# Altium PCB MB1019.PcbDoc (part 2 of 4) (continued)
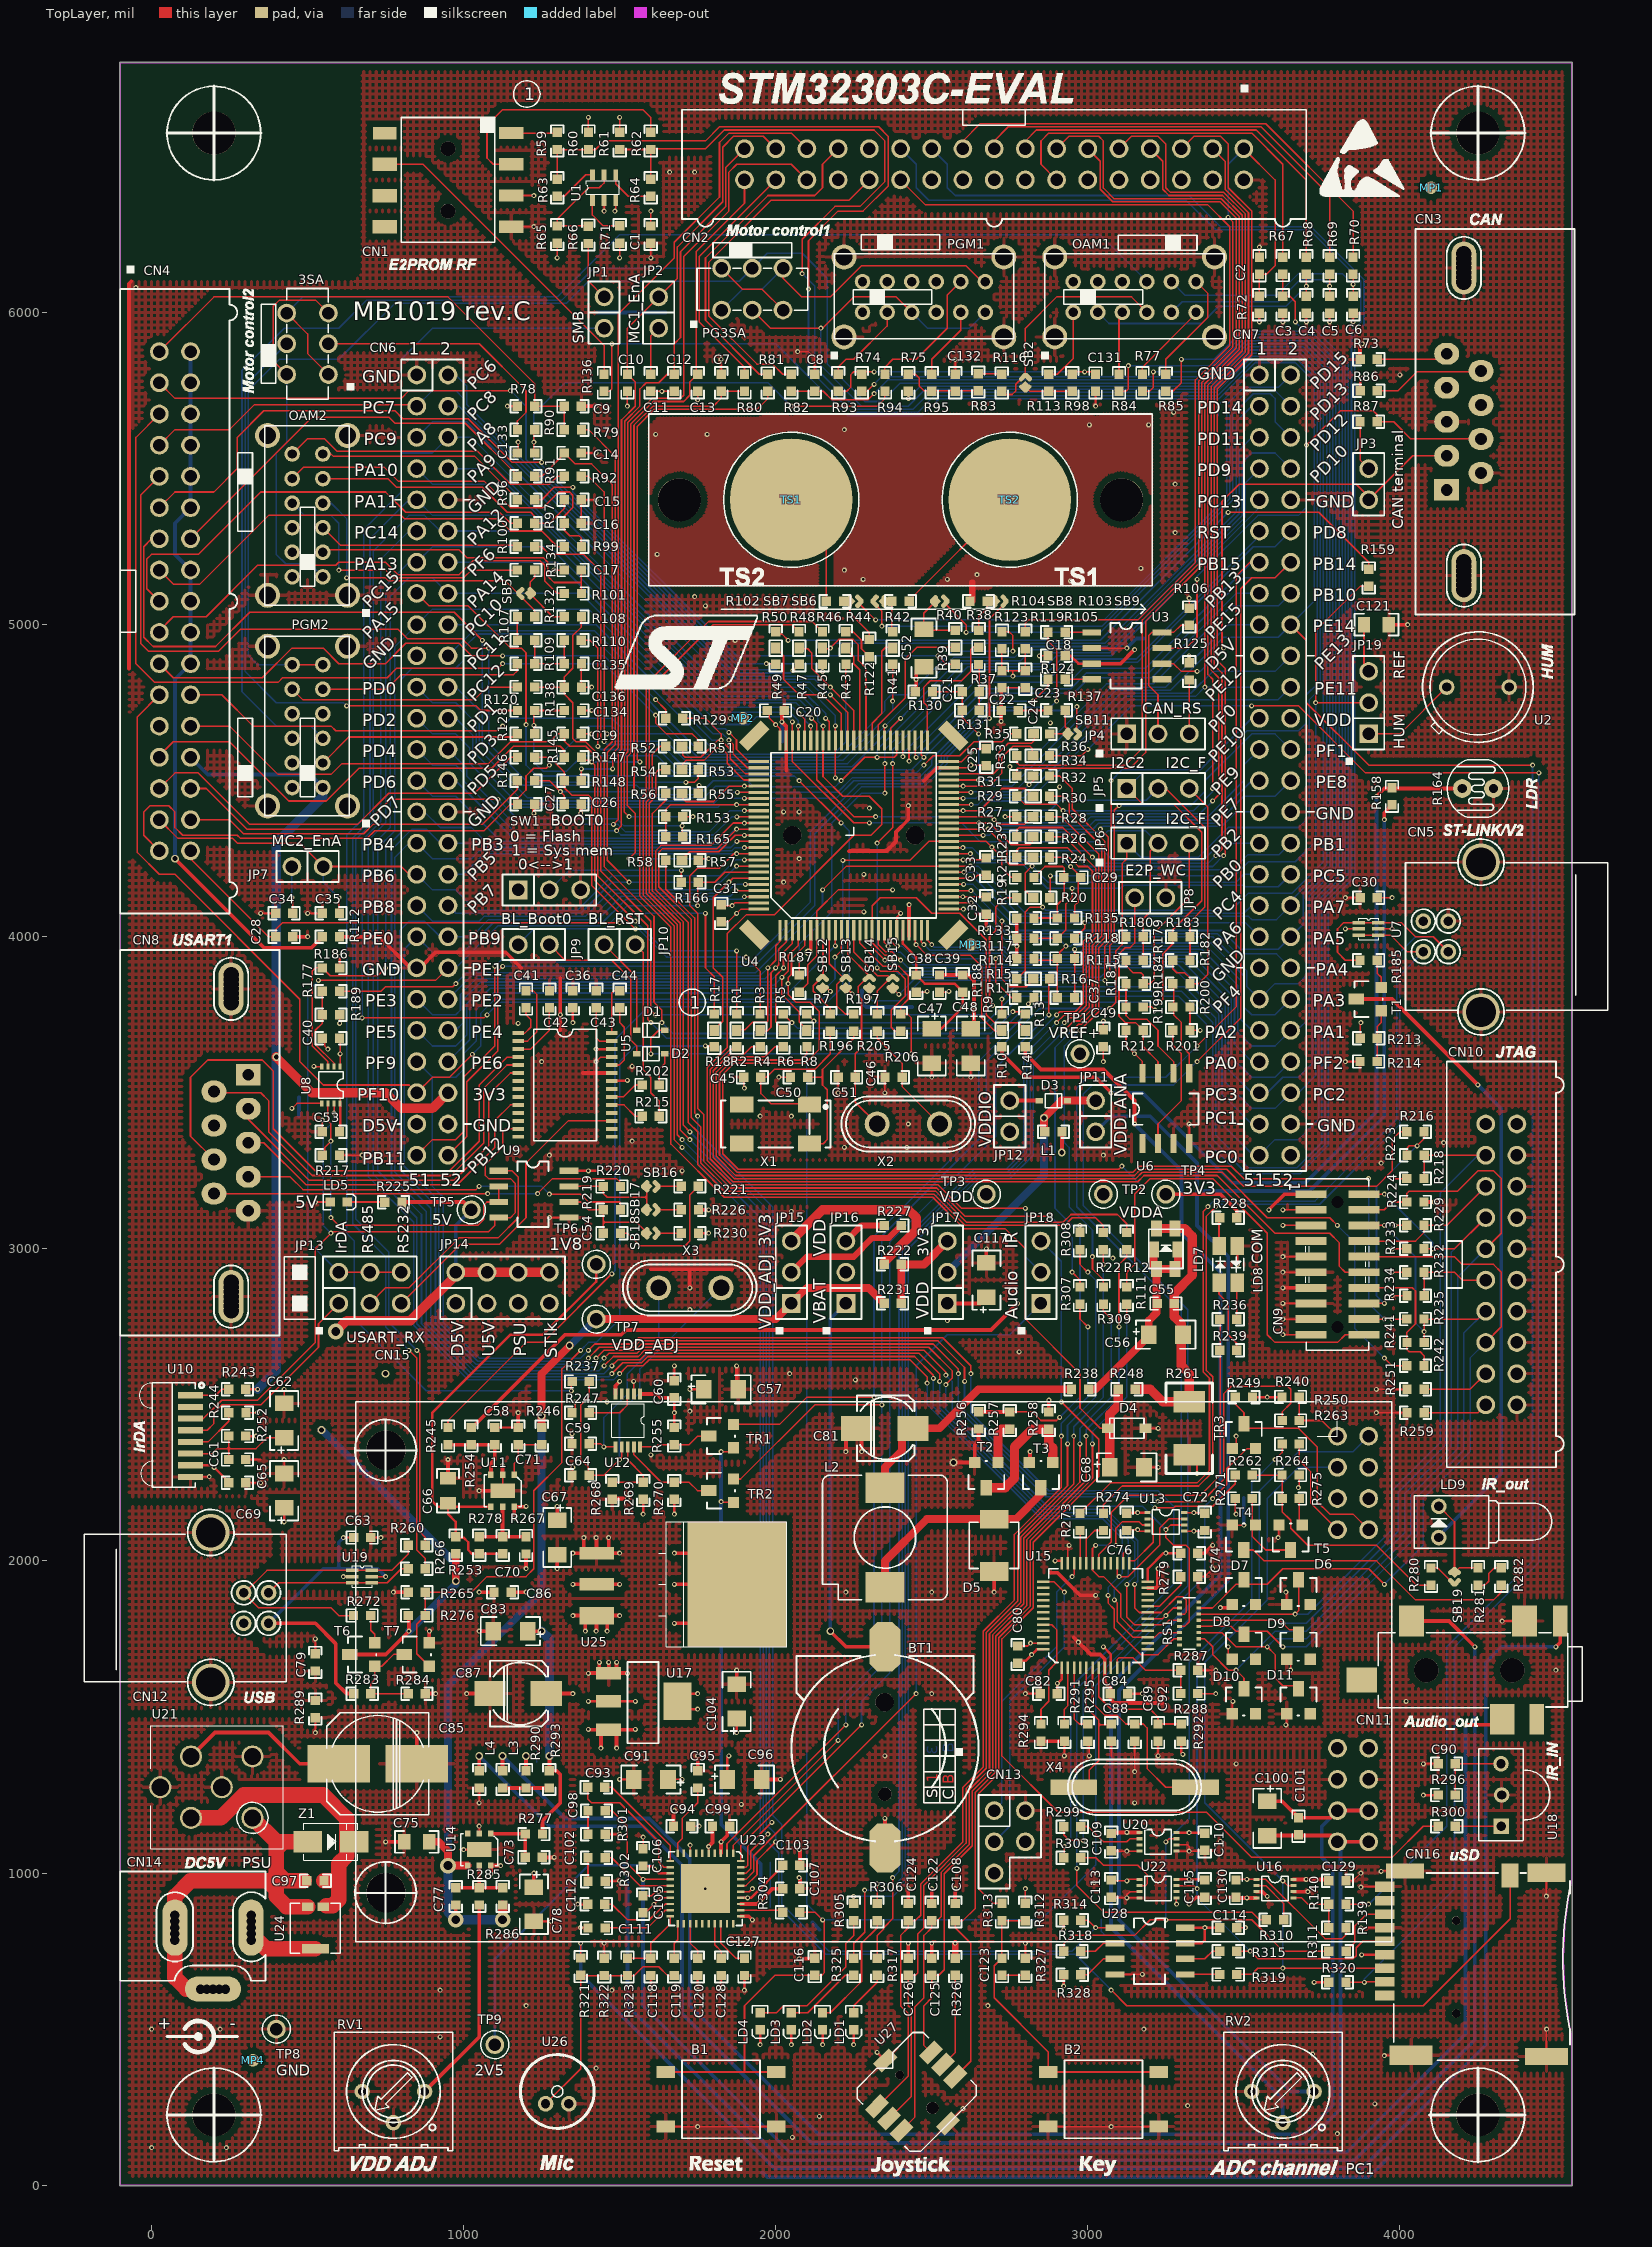
[diagram p0: TopLayer view]
## Nets (pads, with @x,y where several pads share a name; then routed paths per layer and width w, separated by ;. In a path a pad name is that pad's centre, name@x,y a point inside that pad or via, vN(x,y) a via of type N, cw(c..) or ccw(c..) an arc to the next point about the centre after c; other vN are vias at no path point) (continued)
  TopLayer w5: C4.2@3700,6052.5 R68.2@3700,6122.5
  BottomLayer w5: OAM1.2@3031.89,6000.79 3067.68,5965 3365,5965 3420,6020 3635,6020 v1(3700,6085)
MC1_CURRENTB+: C5.2 OAM1.5 R69.2 | length 628.3
  TopLayer w5: C5.2@3775,6052.5 R69.2@3775,6122.5
  BottomLayer w5: OAM1.5@3268.11,6000.79 3302.32,6035 3610,6035 3680,6105 3755,6105 v1(3775,6085)
MC1_CURRENTC+: C6.2 OAM1.8 R70.2 | length 713.7
  TopLayer w5: C6.2@3850,6052.5 R70.2@3850,6122.5
  BottomLayer w5: OAM1.8@3268.11,6099.21 3312.32,6055 3605,6055 3675,6125 3815,6125 v1(3850,6090)
MC1_MC2_PFCPWM: R3.1 R145.2 R148.2 | length 1336.4
  TopLayer w5: R145.2@1227.5,4575 1275,4575 1322.5,4527.5 1322.5,4477.5 1346.15,4453.85 1400,4453.85 1410,4443.85 1410,4165 v1(1550,4025) ; v1(1905,3935) 1950,3890 R3.1@1950,3752.5
  BottomLayer w5: v1(1550,4025) 1560,4025 1650,3935 v1(1905,3935)
MC1_MC2_PFCSYNC: R1.1 R81.2 R147.2 | length 2884.6
  TopLayer w5: R147.2@1375,4565 1405,4565 1420,4550 1420,4180 v1(1550,4050) ; v1(1565,4560) 1556,4569 1556,5635.29 1610.71,5690 1940,5690 1975,5725 R81.2@1975,5747.5 ; R1.1@1875,3752.5 v1(1875,3955)
  BottomLayer w5: v1(1410,4560) v1(1565,4560) ; v1(1550,4050) 1645,3955 v1(1875,3955)
MC2_CURRENTA+: C16.2 OAM2.8 R99.2 | length 1209.9
  TopLayer w5: OAM2.8@450.79,5468.11 487.68,5505 745,5505 790,5460 1065,5460 1150,5375 1255,5375 1305,5425 1340,5425 1350,5415 1350,5375 1322.5,5347.5 1322.5,5302.5 1340,5285 1370,5285 1377.5,5277.5 R99.2@1377.5,5250
MC2_CURRENTB+: C15.2 OAM2.5 R97.2 | length 892.9
  TopLayer w5: OAM2.5@549.21,5468.11 756.89,5468.11 785,5440 1060,5440 1140,5360 1215,5360 1227.5,5347.5 1227.5,5325 1275,5325 1322.5,5372.5 C15.2@1322.5,5400
MC2_CURRENTC+: C17.2 OAM2.2 R101.2 | length 979.2
  TopLayer w5: OAM2.2@557.32,5240 985,5240 1010,5215 1255,5215 1270,5200 1270,5155 1290,5135 1377.5,5135 ; R101.2@1377.5,5100 C17.2@1377.5,5175 ; 1377.5,5130 1372.5,5135 1377.5,5140
MCO: U15.29
Net3SA_2: 3SA.2 R90.1 | length 831.6
  TopLayer w5: 3SA.2@566.93,5900 1050,5900 1200,5750 1200,5680 1172.5,5652.5 R90.1@1172.5,5625
Net3SA_5: 3SA.5 R138.1 | length 2029.4
  TopLayer w5: v1(625,4740) 1040,4740 1055,4725 R138.1@1172.5,4725
  BottomLayer w5: 3SA.5@433.07,5900 300,5766.93 300,4850 400,4750 615,4750 v1(625,4740)
NetB2_2: B2.2 B2.3 C123.2 R312.1 R313.1 | length 996.3
  TopLayer w5: R312.1@2800,847.5 2725,847.5 C123.2@2725,727.5 2700,702.5 2700,600 2872.83,427.17 B2.2@2872.83,362.5 B2.3@3227.17,362.5
NetBT1_1: BT1.1 JP16.1 | length 1266.4
  TopLayer w12: v3(2175,1775) 2225,1725 BT1.1@2350,1725
  BottomLayer w12: v3(2175,1775) 2175,2775 JP16.1@2225,2825
NetC11_2: C11.2 JP2.2 | length 157.9
  TopLayer w5: C11.2@1600,5802.5 1600,5925 JP2.2@1625,5950
NetC34_2: C34.2 JP7.2 | length 151
  TopLayer w5: v1(450,4125) 452.5,4122.5 C34.2@452.5,4075
  BottomLayer w5: v1(450,4125) JP7.2@450,4225
NetC41_1: C41.1 U5.1 | length 116
  TopLayer w5: U5.1@1175.39,3691.34 1196.34,3691.34 1215,3710 1215,3735 1200,3750 C41.1@1200,3772.5
NetC41_2: C41.2 U5.2 | length 231.5
  TopLayer w5: U5.2@1175.39,3665.75 1205,3665.75 1235,3695.75 1235,3815 1222.5,3827.5 C41.2@1200,3827.5
NetC44_1: C44.1 U5.24 | length 220.7
  TopLayer w5: U5.24@1474.61,3588.98 1498.98,3588.98 1515,3605 1515,3710 1500,3725 C44.1@1500,3772.5
NetC44_2: C44.2 U5.28 | length 156.9
  TopLayer w5: U5.28@1474.61,3691.34 1474.61,3819.61 1482.5,3827.5 C44.2@1500,3827.5
NetC46_1: C46.1 R205.2 X2.1 | length 380.3
  TopLayer w5: R205.2@2325,3697.5 2325,3675 2405,3595 2405,3520 X2.1@2525,3400
NetC59_1: C59.1 U12.6 X3.2 | length 705.8
  TopLayer w5: C59.1@1402.5,2375 1440,2375 v1(1449.69,2365.31) U12.6@1486.63,2365.31 ; X3.2@1600,2850 X3.2@1625,2875
  BottomLayer w5: v1(1449.69,2365.31) 1449.69,2459.69 1525,2535 1525,2600 1625,2700 X3.2@1625,2875
NetC64_1: C64.1 R237.2 U12.7 X3.1 | length 1169.2
  TopLayer w5: R237.2@1402.5,2575 1402.5,2527.5 1375,2500 1375,2325 1400,2300 1400,2277.5 C64.1@1402.5,2275 1450,2275 1506.31,2331.32 U12.7@1506.31,2365.31
  BottomLayer w5: v1(1499.54,2324.54) 1499.54,2474.54 1565,2540 1565,2615 X3.1@1825,2875
NetC79_2: C79.2 CN12.0 R289.2
NetC93_1: C93.1 U23.12 | length 430.6
  TopLayer w5: C93.1@1397.5,1275 1397.5,1237.5 1410,1225 1500,1225 1625,1100 1625,1035 1641.1,1018.9 U23.12@1662.01,1018.9
NetC93_2: C93.2 U23.11 | length 336.4
  TopLayer w5: C93.2@1452.5,1275 1475,1275 1662.01,1087.99 U23.11@1662.01,1038.58
NetC95_1: C95.1 U23.10 | length 235.8
  TopLayer w5: U23.10@1686.42,1062.99 1686.42,1096.42 1700,1110 1700,1175 1750,1225 C95.1@1750,1272.5
NetC119_2: C119.2 R321.1 R322.1 R323.1 U26.2 | length 782.5
  TopLayer w5: U26.2@1262.6,260.63 1375,373.03 1375,672.5 1376,671.5 1546.5,671.5 1575,700 1625,700 1653.5,671.5 C119.2@1675,671.5
NetC123_1: C123.1 R327.2 | length 75
  TopLayer w5: C123.1@2725,672.5 R327.2@2800,672.5
NetCN1_4: CN1.4 R136.2 | length 1035.2
  TopLayer w5: CN1.4@747.5,6475 870,6475 1450,5895 R136.2@1450,5802.5
NetCN2_14: CN2.14 R67.2 | length 1270
  TopLayer w5: CN2.14@2900,6425 2850,6475 2850,6550 2875,6575 3525,6575 3625,6475 R67.2@3625,6177.5
NetCN2_24: CN2.24 R119.2 | length 2891.5
  TopLayer w5: CN2.24@2400,6425 2480,6345 3385,6345 3455,6275 3455,5894.14 3345,5784.14 3345,5199.14 3160.86,5015 2810,5015 2800,5005 R119.2@2800,4977.5
NetCN2_26: CN2.26 R82.1 | length 1137.4
  TopLayer w5: R82.1@2050,5802.5 2022.5,5802.5 1990,5835 1940,5835 1785,5990 1785,6160 1985,6360 2235,6360 CN2.26@2300,6425
NetCN2_30: CN2.30 R153.2 | length 2807.3
  TopLayer w5: v1(1530,4385) 1515,4400 1515,4581.72 1526,4592.72 1526,5647.72 1603.28,5725 1695,5725 1705,5735 1705,6180 1850,6325 1850,6450 1875,6475 2050,6475 CN2.30@2100,6425 CN2.30@2100,6400 ; R153.2@1702.5,4385 v1(1735,4385)
  BottomLayer w5: v1(1530,4385) v1(1735,4385)
NetCN2_32: CN2.32 R80.2 | length 784
  TopLayer w5: R80.2@1900,5802.5 1900,5825 1755,5970 1755,6180 CN2.32@2000,6425
NetCN4_2: CN4.2 CN4.4 CN4.6 CN4.8 CN4.10 CN4.12 CN4.16 CN4.18 CN4.20 CN4.22 R112.2 | length 2292.2
  TopLayer w12: v3(75,4250) 360,3965 512.5,3965 R112.2@547.5,4000
  BottomLayer w12: v3(75,4250) 75,4825 CN4.22@125,4875 CN4.16@125,5175 75,5225 75,5325 CN4.12@125,5375 CN4.2@125,5875
NetCN4_14: CN4.14 R91.2 | length 1286.7
  TopLayer w5: CN4.14@125,5275 515,5665 760,5665 780,5645 1005,5645 R91.2@1172.5,5477.5
NetCN4_24: CN4.24 R123.2 | length 2999.6
  TopLayer w5: CN4.24@125,4775 225,4775 325,4675 575,4675 590,4660 1110,4660 v1(1125,4675) ; R123.2@2725,4977.5 2747.5,4977.5 2760,4965 v1(2760,4915)
  BottomLayer w5: v1(1125,4675) 1150,4700 1475,4700 1500,4675 1650,4675 1750,4575 2200,4575 2350,4725 2350,4755 2370,4775 2425,4775 2565,4915 v1(2760,4915)
NetCN4_30: CN4.30 R165.2 | length 1740.9
  TopLayer w5: CN4.30@125,4475 175,4475 305,4345 670,4345 765,4440 v1(1110,4440) ; R165.2@1700,4317.5 v1(1700,4355)
  BottomLayer w5: v1(1110,4440) 1171.89,4378.11 1491.03,4378.11 1514.14,4355 v1(1700,4355)
NetCN4_32: CN4.32 R146.2 | length 1152.7
  TopLayer w5: CN4.32@125,4375 250,4375 295,4330 680,4330 710,4360 1060,4360 1172.5,4472.5 R146.2@1172.5,4500
NetCN5_2: CN5.2 R274.2 U7.3 U7.4 | length 2802.9
  TopLayer w5: R274.2@3050,2152.5 3050,2180 3110,2240 3355,2240 3400,2285 3400,2590 3380,2610 3380,3105 v1(3410,3135) ; U7.3@3868.7,4005.32 3969.68,4005.32 4023,3952 CN5.2@4075,3952
  BottomLayer w5: v1(3410,3135) 3418.14,3143.14 3743.14,3143.14 4000,3400 4000,3877 CN5.2@4075,3952
NetCN5_3: CN5.3 R185.2 R273.2 U7.1 U7.6 | length 3346.6
  TopLayer w5: R273.2@2975,2152.5 3072.5,2250 3350,2250 3390,2290 3390,2585 3370,2605 3370,3120 v1(3385,3135) ; R185.2@3872.5,3925 3825,3925 3800,3950 3800,4025 3819.68,4044.68 4005.32,4044.68 4050,4000 4107,4000 CN5.3@4155,3952
  BottomLayer w5: v1(3385,3135) 3403.14,3153.14 3728.14,3153.14 3990,3415 3990,3940 4050,4000 4107,4000 CN5.3@4155,3952
NetCN6_51: CN6.51 SB11.1 | length 3191
  TopLayer w5: CN6.51@850,3300 900,3350 975,3350 1000,3375 1000,3550 1100,3650 v1(1100,3905) ; v1(2965,4737) 2965,4661 SB11.1@2968,4658
  BottomLayer w5: v1(1100,3905) 1120,3925 1145,3925 1151.22,3918.78 1918.78,3918.78 2110,4110 2110,4335 2265,4490 2470,4490 2540,4560 2540,4580 2685,4725 2953,4725 v1(2965,4737)
NetCN6_52: CN6.52 SB9.1 | length 3100.1
  TopLayer w5: CN6.52@950,3300 1010,3360 1010,3535 1110,3635 1110,3890 v1(1125,3905) ; v1(2685,4700) 2685,5019 SB9.1@2733,5067
  BottomLayer w5: v1(1125,3905) 1930,3905 2125,4100 2125,4330 2275,4480 2475,4480 2550,4555 2550,4575 2675,4700 v1(2685,4700)
NetCN7_2: CN7.2 SB7.1 | length 1902.5
  TopLayer w5: SB7.1@2268,5067 v1(2320,5015)
  BottomLayer w5: v1(2320,5015) 3051.72,5015 3445,5408.28 3445,5705 3500,5760 3610,5760 CN7.2@3650,5800
NetCN7_4: CN7.4 SB6.1 | length 1892.4
  TopLayer w5: SB6.1@2317,5067 2340,5044 v1(2340,4995)
  BottomLayer w5: v1(2340,4995) 3045.86,4995 3455,5404.14 3455,5690 3515,5750 3600,5750 CN7.4@3650,5700
NetCN7_6: CN7.6 SB8.1 | length 1739.6
  TopLayer w5: SB8.1@2543,5067 2610,5000 v1(2610,4975)
  BottomLayer w5: v1(2610,4975) 3040,4975 3465,5400 3465,5675 3530,5740 3585,5740 3600,5725 3600,5650 CN7.6@3650,5600
NetCN8_4: CN8.4 R219.2 | length 1257.9
  TopLayer w5: CN8.4@310,3231 444,3231 485,3190 1040,3190 v1(1050,3200) ; v1(1275,3175) 1375,3175 1400,3150 1500,3150 1502.5,3147.5 R219.2@1502.5,3125
  BottomLayer w5: v1(1050,3200) 1250,3200 v1(1275,3175)
NetCN8_9: CN8.9 R220.2 | length 1340.1
  TopLayer w5: CN8.9@200,3177 v1(1077,3177) ; v1(1237,3177) 1285,3225 1490,3225 1502.5,3212.5 R220.2@1502.5,3200
  BottomLayer w5: v1(1077,3177) v1(1237,3177)
NetCN9_12: CN9.12 R2.1 | length 2704.6
  TopLayer w5: R2.1@1875,3640 1855,3640 1790,3575 1790,3288.28 1863.28,3215 3160,3215 3180,3235 3415,3235 3600,3050 3775,3050 3805,3020 3805,2945 3825,2925 CN9.12@3885,2925
NetCN9_14: CN9.14 R241.1 R242.1 | length 463.8
  TopLayer w5: CN9.14@3885,2875 4040,2875 4050,2865 4050,2760 4022.5,2732.5 4022.5,2677.5 4030,2670 4065,2670 4077.5,2657.5 R242.1@4077.5,2625
NetCN9_16: CN9.16 R216.1 R223.1 | length 736.6
  TopLayer w5: CN9.16@3885,2825 v1(3950,2825) ; R223.1@4022.5,3300 4022.5,3322.5 4030,3330 v1(4055,3330) 4077.5,3352.5 R216.1@4077.5,3365
  BottomLayer w5: v1(3950,2825) 3925,2850 3925,3200 v1(4055,3330)
NetCN9_18: CN9.18 R8.1 | length 3288.9
  TopLayer w5: R8.1@2100,3647.5 2100,3625 2080,3605 1862.43,3605 1820,3562.57 1820,3300.71 1875.71,3245 3145,3245 3165,3265 3460,3265 3500,3225 v1(3900,3225) ; CN9.18@3840,2775 CN9.18@3875,2775 ; CN9.18@3885,2775 v1(3950,2775)
  BottomLayer w5: v1(3900,3225) 3900,2825 v1(3950,2775)
NetCN10_11: CN10.11 R232.1 R234.2 | length 282.9
  TopLayer w5: R234.2@4077.5,2850 4077.5,2925 4175,2925 4200,2900 CN10.11@4275,2900
NetCN10_17: CN10.17 R251.2 | length 218.2
  TopLayer w5: R251.2@4077.5,2550 4225,2550 CN10.17@4275,2600
NetCN10_19: CN10.19 R259.2 | length 207.9
  TopLayer w5: R259.2@4077.5,2475 4250,2475 CN10.19@4275,2500
NetCN11_2: CN11.2 R321.2 | length 5026.7
  TopLayer w5: R321.2@1375,727.5 v1(1375,775)
  TopLayer w12: v1(4500,1725) 4513.54,1738.54 CN11.2@4513.54,1807.48
  BottomLayer w12: v1(1375,775) 1375,675 1995,55 3880,55 4275,450 4275,1675 4325,1725 v1(4500,1725)
NetCN12_2: CN12.2 R266.2 U19.3 U19.4 | length 479.4
  TopLayer w5: CN12.2@375,1898 407.31,1930.31 755.31,1930.31 800,1975 R266.2@822.5,1975
NetCN12_3: CN12.3 R260.2 R272.2 U19.1 U19.6 | length 986.4
  TopLayer w5: CN12.3@295,1898 343,1850 575,1850 600,1825 R272.2@647.5,1825 ; CN12.3@298,1898 369.69,1969.69 575,1969.69 ; 575,1970 575.31,1969.69 769.69,1969.69 822.5,2022.5 R260.2@822.5,2050
NetCN14_1: CN14.1 U24.1 | length 225.6
  TopLayer w50: CN14.1@319.09,805 366.59,757.5 U24.1@525,757.5
NetCN14_3: C97.2 CN14.2 CN14.3 U21.2 U24.2 Z1.1 | length 1439.7
  TopLayer w12: 360,960 390,930 ; 365,985 400,1020 ; 410,1060 435,1085 ; 415,1015 445,985
  TopLayer w50: CN14.3@75,785 75,665 111.85,628.15 CN14.2@217.05,628.15 ; CN14.3@75,865 75,925 125,975 C97.2@490,975 ; U21.2@323.43,1176.57 400,1100 ; U24.2@500,892.5 432.5,892.5 400,925 400,1100 ; Z1.1@500.2,1100 400,1100
NetCN16_10: CN16.10 R48.1 | length 7395.4
  TopLayer w5: v1(1700,3325) 1674.31,3350.69 1674.31,4034.83 1575,4134.14 1575,4435.86 1595,4455.86 1595,4795 1800,5000 2052.5,5000 R48.1@2075,4977.5 ; v1(3075,625) 3125,575 4075,575 4353.23,853.23 CN16.10@4353.23,991.93
  BottomLayer w5: v1(1700,3325) 1950,3075 1950,1125 2010,1065 2010,890 2160,740 2960,740 v1(3075,625)
NetD2_1: D2.1 R202.1 | length 107.2
  TopLayer w5: R202.1@1627.5,3525 1627.5,3577.5 1645,3595 D2.1@1645,3625
NetD4_2: C68.1 D4.2 R46.1 R248.1 | length 4410.6
  TopLayer w5: R46.1@2150,4977.5 2117.5,5010 1785,5010 1585,4810 1585,4460 1565,4440 1565,4130 1664.31,4030.69 1664.31,3335.69 1835,3165 2503.43,3165 2603.43,3065 2735,3065 2800,3000 2800,2775 2975,2600 2975,2490 3040,2425 D4.2@3065,2425
  TopLayer w30: C68.1@3070,2300 3070,2470 3093.96,2493.96 ; 3097.5,2502.5 R248.1@3097.5,2550
NetD5_2: D5.2 L2.1 T3.3 | length 693.9
  TopLayer w25: L2.1@2350,1915.55 2350,2000 2484.06,2134.06 2770,2134.06 2849.5,2213.56 T3.3@2849.5,2235
NetJP4_3: JP4.3 R125.1 | length 172.5
  TopLayer w5: JP4.3@3325,4650 R125.1@3325,4822.5
NetJP5_1: JP5.1 R59.1 R60.1 R63.1 R183.1 TR1.1 U23.1 | length 10564.2
  TopLayer w5: R63.1@1300,6427.5 1300,6522.5 1301,6521.5 1421.5,6521.5 1450,6550 1775,6550 1820,6595 2330,6595 2360,6565 2360,6405 2280,6325 2200,6325 2105,6230 v1(2105,6075) ; U23.1@1863.58,1062.99 1863.58,1088.58 v1(2200,1425) ; TR1.1@1865,2437.5 2012.5,2437.5 2100,2525 v1(2315,2525) ; JP5.1@3125,4475 3175,4425 3275,4425 3365,4335 3365,4115 3272.5,4022.5 3272.5,3977.5 3240,3945 3240,3800 v1(3230,3790)
  BottomLayer w5: v1(2105,6075) 2105,5820 2245,5680 2455,5680 2509,5734 3416.28,5734 3532.28,5850 3670,5850 3735,5785 3735,4810 3700,4775 3700,4685 3675,4660 3510,4660 3375,4525 3175,4525 JP5.1@3125,4475 ; v1(2200,1425) 2200,1550 2315,1665 2315,3040 2650,3375 2650,3600 2840,3790 v1(3230,3790)
NetJP5_3: JP5.3 R182.1 R184.2 | length 802.2
  TopLayer w5: R182.1@3272.5,3925 3272.5,3897.5 3285,3885 3310,3885 3327.5,3867.5 3327.5,3850 3355,3850 3385,3880 3385,4415 JP5.3@3325,4475
NetJP6_1: JP6.1 R61.1 R62.1 R64.1 R180.1 TR2.1 U23.2 | length 10208.7
  TopLayer w5: R61.1@1500,6522.5 R62.1@1600,6522.5 ; R64.1@1600,6427.5 R62.1@1600,6522.5 ; U23.2@1843.9,1062.99 1843.9,1093.9 v1(2225,1475) ; TR2.1@1865,2262.5 1887.5,2262.5 2125,2500 v1(2340,2500) ; v1(2085,6125) 2085,6235 2190,6340 2270,6340 2350,6420 2350,6550 2315,6585 1835,6585 1775,6525 1602.5,6525 R62.1@1600,6522.5 ; v1(3070,3770) 3090,3790 3090,3955 3110,3975 3110,4235 3125,4250 JP6.1@3125,4300
  BottomLayer w5: v1(2085,6125) 2125,6085 2125,5825 2260,5690 2440,5690 2494,5744 3412.14,5744 3528.14,5860 3675,5860 3745,5790 3745,4795 3710,4760 3710,4385 3675,4350 3450,4350 3355,4255 3170,4255 JP6.1@3125,4300 ; v1(2225,1475) 2225,1550 2340,1665 2340,3040 2675,3375 2675,3600 2845,3770 v1(3070,3770)
NetJP6_3: JP6.3 R179.1 R181.2 | length 636.7
  TopLayer w5: R179.1@3122.5,3925 3122.5,3907.5 3145,3885 3170,3885 3177.5,3877.5 3177.5,3850 3200,3850 3213.39,3863.39 3213.39,4013.39 3325,4125 JP6.3@3325,4300
NetJP9_1: D2.2 JP9.1 | length 553.8
  TopLayer w5: JP9.1@1275,3975 1325,3925 1475,3925 1535,3865 1535,3670 1555,3650 D2.2@1555,3625
NetJP10_1: D1.2 JP10.1 | length 318.5
  TopLayer w5: JP10.1@1450,3975 1555,3870 D1.2@1555,3700
NetJP10_2: JP10.2 R215.1 | length 582.1
  TopLayer w5: JP10.2@1550,3975 1575,3950 1575,3575 1600,3550 1600,3500 1627.5,3472.5 R215.1@1627.5,3425
NetJP13_1: JP13.1 U10.4 | length 707.7
  TopLayer w5: U10.4@125,2418.7 178.7,2418.7 200,2440 200,2475 225,2500 350,2500 535,2685 535,2760 JP13.1@600,2825
NetJP13_3: JP13.3 U9.1 | length 789.7
  TopLayer w5: JP13.3@700,2825 750,2875 825,2875 985,3035 1110,3035 1175,3100 1175,3230 1155,3250 U9.1@1112.5,3250
NetJP13_5: JP13.5 U5.17 | length 1019.4
  TopLayer w5: JP13.5@800,2825 990,3015 1115,3015 1200,3100 1200,3275 1334.84,3409.84 U5.17@1474.61,3409.84
NetJP15_2: JP15.2 R227.2 | length 417.1
  TopLayer w12: R227.2@2400,3075 R227.2@2402.5,3075
  TopLayer w20: JP15.2@2050,2925 2100,2975 2250,2975 2310,3035 2362.5,3035 R227.2@2402.5,3075
NetJP16_2: JP16.2 U4.6 | length 1190
  TopLayer w10: v3(2105,3950) 2112.2,3957.2 U4.6@2112.2,4020.87
  VCC w10: v3(2105,3950) 2150,3905 2150,3425 2275,3300 2275,2975 JP16.2@2225,2925
NetJP17_2: D3.2 JP11.2 JP17.2 L1.1 | length 843.7
  TopLayer w25: L1.1@2860,3377.5 v3(2860,3420) 2915,3475 JP11.2@3015,3475
  BottomLayer w25: JP17.2@2550,2925 2860,3235 v3(2860,3420)
NetJP19_3: C121.2 JP19.3 | length 156.2
  TopLayer w5: C121.2@3885,5000 3885,4865 JP19.3@3900,4850
NetL2_2: C81.1 L2.2 R238.1 | length 757.6
  TopLayer w25: L2.2@2350,2234.45 2350,2300 2405,2355 C81.1@2405,2420 ; C81.1@2450,2425 2525,2425 2650,2550 R238.1@2947.5,2550
NetL3_2: C100.1 C101.1 CN15.13 CN15.14 L3.2 | length 4959.1
  TopLayer w12: L3.2@1125,1327.5 v3(1125,1375) ; C100.1@3575,1230 3622.5,1230 C101.1@3675,1177.5 3777.5,1177.5 CN15.13@3800,1200 CN15.14@3900,1200
  BottomLayer w12: v3(1125,1375) 1325,1175 1595,1175 1725,1045 1725,575 2136.82,163.18 3693.18,163.18 3785,255 3785,1015 3750,1050 3750,1150 CN15.13@3800,1200 CN15.14@3900,1200
NetL4_2: C100.2 C101.2 CN15.15 CN15.16 L4.2 | length 4951.5
  TopLayer w5: CN15.15@3780,1120 CN15.15@3800,1100
  TopLayer w12: L4.2@1050,1327.5 v3(1050,1375) ; C100.2@3575,1120 3780,1120 CN15.15@3800,1100 CN15.16@3900,1100
  BottomLayer w12: v3(1050,1375) 1275,1150 1575,1150 1700,1025 1700,550 2115,135 3700,135 3810,245 3810,1100 CN15.16@3900,1100
NetLD1_2: LD1.2 R317.2 | length 151.1
  TopLayer w5: LD1.2@2250,552.5 2250,575 2325,650 R317.2@2325,672.5
NetLD2_2: LD2.2 R306.2 | length 382.1
  TopLayer w5: LD2.2@2150,552.5 2175,552.5 2275,652.5 2275,775 2325,825 R306.2@2325,847.5
NetLD3_2: LD3.2 R325.2 | length 249.7
  TopLayer w5: LD3.2@2050,552.5 2102.5,552.5 2222.5,672.5 R325.2@2250,672.5
NetLD4_2: LD4.2 R305.2 | length 494
  TopLayer w5: LD4.2@1950,552.5 2002.5,552.5 2025,575 2100,575 2225,700 2225,775 2250,800 R305.2@2250,847.5
NetLD8_2: LD8.2 R236.2 | length 117.5
  TopLayer w5: R236.2@3477.5,2775 LD8.2@3477.5,2892.5
NetLD8_3: LD8.3 R239.2 | length 239.6
  TopLayer w5: LD8.3@3420.47,2890.94 3420.47,2854.53 3450,2825 3450,2725 3477.5,2697.5 R239.2@3477.5,2675
NetLD8_4: LD8.4 R228.1 | length 88.9
  TopLayer w5: LD8.4@3420.47,3009.06 R228.1@3420.47,3097.97
NetOAM1_1: OAM1.1 R113.2 | length 246.8
  TopLayer w5: R113.2@2875,5802.5 2902.5,5802.5 2953.15,5853.15 OAM1.1@2953.15,6000.79
NetOAM1_3: OAM1.3 R84.2 | length 202.7
  TopLayer w5: R84.2@3100,5802.5 3100,5990.16 OAM1.3@3110.63,6000.79
NetOAM1_4: OAM1.4 R116.2 SB2.1 | length 708.5
  TopLayer w5: R116.2@2725,5737.5 2757.5,5737.5 2769,5749 2769,5770 SB2.1@2792,5793 ; SB2.1@2800,5795 2800,5950 2900,6050 3140.16,6050 OAM1.4@3189.37,6000.79
NetOAM1_6: OAM1.6 R77.2 | length 269.5
  TopLayer w5: R77.2@3175,5802.5 3175,5825 3346.85,5996.85 OAM1.6@3346.85,6000.79
NetOAM1_7: 3SA.1 3SA.6 OAM1.7 | length 3175.3
  TopLayer w5: 3SA.6@433.07,5998.43 500,5931.5 500,5868.5 3SA.1@566.93,5801.57
  BottomLayer w5: 3SA.6@433.07,5998.43 484.65,6050 1300,6050 1500,6250 3038.58,6250 OAM1.7@3189.37,6099.21
NetOAM1_9: OAM1.9 R85.1 | length 368.4
  TopLayer w5: R85.1@3250,5802.5 3250,5850 3385,5985 3385,6061.06 OAM1.9@3346.85,6099.21
NetOAM2_1: 3SA.3 3SA.4 OAM2.1 | length 1207.9
  TopLayer w5: 3SA.4@433.07,5801.57 390,5844.65 390,6020 410,6040 525.35,6040 3SA.3@566.93,5998.43
  BottomLayer w5: 3SA.4@433.07,5801.57 433.07,5583.07 400,5550 400,5225 430,5195 507.36,5195 OAM2.1@549.21,5153.15
NetOAM2_3: OAM2.3 R100.2 | length 641.3
  TopLayer w5: OAM2.3@549.21,5310.63 604.84,5255 R100.2@1167.5,5255
NetOAM2_4: OAM2.4 R132.2 SB5.1 | length 953.1
  TopLayer w5: v1(625,5150) 750,5150 760,5140 1134,5140 1227.5,5046.5 R132.2@1227.5,5025
  BottomLayer w5: OAM2.4@549.21,5389.37 575.63,5389.37 625,5340 v1(625,5150)
NetOAM2_6: OAM2.6 R96.2 | length 683.1
  TopLayer w5: OAM2.6@549.21,5546.85 575,5546.85 581.85,5540 1035,5540 R96.2@1172.5,5402.5
NetOAM2_7: OAM2.7 R134.2 | length 919.1
  TopLayer w5: v1(600,5175) 750,5175 775,5150 1000,5150 1025,5175 R134.2@1172.5,5175
  BottomLayer w5: OAM2.7@450.79,5389.37 490.16,5350 575,5350 600,5325 v1(600,5175)
NetOAM2_9: OAM2.9 R92.2 | length 962.1
  TopLayer w5: OAM2.9@450.79,5546.85 498.94,5595 555,5595 595,5555 1045,5555 1150,5450 1275,5450 1300,5475 R92.2@1322.5,5475
NetPGM1_9: PG3SA.1 PG3SA.6 PGM1.9 | length 1021.9
  TopLayer w5: PG3SA.6@2023.43,6141.93 2023.43,6110 2083.43,6050 2175,6050 2275,6150 2610,6150 PGM1.9@2670,6090
  BottomLayer w5: PG3SA.1@1826.57,6008.07 1893.5,6075 1956.5,6075 PG3SA.6@2023.43,6141.93
NetPGM2_3: PG3SA.3 PG3SA.4 PGM2.3 | length 3275.4
  TopLayer w5: PG3SA.4@1826.57,6141.93 1893.5,6075 1956.5,6075 PG3SA.3@2023.43,6008.07
  BottomLayer w5: PGM2.3@549.21,4635.63 509.84,4675 400,4675 290,4785 290,5815 425,5950 600,5950 690,6040 1315,6040 1416.93,6141.93 PG3SA.4@1826.57,6141.93
NetR5_1: CN2.21 R5.1 | length 6725.8
  TopLayer w5: R5.1@2024,3752.5 v1(2051.5,3725)
  BottomLayer w5: v1(2051.5,3725) 2069.19,3707.31 2682.31,3707.31 2785,3810 3290,3810 3380,3720 3380,3345 3485,3240 3680,3240 3770,3330 3770,4106.86 3855,4191.86 3855,5930 3885,5960 3885,6105 3715,6275 3425,6275 3325,6375 2575,6375 2550,6400 2550,6475 CN2.21@2500,6525
NetR7_1: CN2.23 R7.1 | length 6713.5
  TopLayer w5: R7.1@2100,3752.5 v1(2122.5,3730)
  BottomLayer w5: v1(2122.5,3730) 2127.5,3725 2675,3725 2775,3825 3300,3825 3400,3725 3400,3350 3500,3250 3675,3250 3760,3335 3760,4111 3845,4196 3845,5940 3875,5970 3875,6100 3710,6265 3410,6265 3315,6360 2490,6360 2450,6400 2450,6475 CN2.23@2400,6525
NetR9_2: C3.1 R9.2 R67.1 | length 4523.4
  TopLayer w5: R9.2@2725,3752.5 v1(2725,3800) ; R67.1@3625,6122.5 C3.1@3625,6052.5 3647.5,6052.5 3665,6035 v1(3665,5970)
  BottomLayer w5: v1(2725,3800) 2765,3840 3310,3840 3410,3740 3410,3365 3515,3260 3670,3260 3750,3340 3750,4115.15 3835,4200.15 3835,5840 3725,5950 3685,5950 v1(3665,5970)
NetR10_2: R10.2 R158.1 R164.2 | length 2783.9
  TopLayer w12: R10.2@2725,3647.5 2725,3625 2800,3550 3025,3550 v1(3075,3500) ; v1(3925,4450) 3950,4475 R164.2@4200,4475
  BottomLayer w12: v1(3075,3500) 3175,3500 3463,3212 3697.86,3212 3925,3439.14 v1(3925,4450)
NetR11_2: C19.2 CN4.26 R11.2 | length 3691.8
  TopLayer w5: CN4.26@125,4675 250,4675 405,4520 575,4520 610,4555 1080,4555 1150,4625 1275,4625 1300,4650 C19.2@1322.5,4650 1322.5,4627.5 1340,4610 1391.72,4610 1430,4571.72 1430,4195 1590,4035 1590,3735 v1(1600,3725) ; v1@2810,3787.5 v1(2810,3785) 2827.5,3802.5 R11.2@2827.5,3805
  BottomLayer w5: v1(1600,3725) 1650,3675 2700,3675 v1(2810,3785)
NetR12_2: C108.2 R12.2 U27.4 | length 2933.9
  TopLayer w5: U27.4@2575.27,347.33 2625,397.05 2625,775 2575,825 C108.2@2575,847.5 2600,847.5 2640,887.5 2640,1258.43 2705,1323.43 2705,1758.28 2805,1858.28 2805,2068.43 2995,2258.43 v1(2995,2400) ; v1(3100,2750) 3100,2950 3125,2975 R12.2@3125,2997.5
  BottomLayer w5: v1(2995,2400) 2995,2420 3100,2525 v1(3100,2750)
NetR13_1: C14.1 R13.1 R91.1 | length 3342.3
  TopLayer w5: R91.1@1227.5,5475 1250,5475 1322.5,5547.5 C14.1@1322.5,5550 1357.5,5515 1410,5515 1476,5449 1476,4625 1450,4599 1450,4225 1610,4065 1610,3790 1635,3765 v1(1635,3725) ; v1(2760,3760) R13.1@2792.5,3760
  BottomLayer w5: v1@1630,3730 1669.96,3690.04 2690.04,3690.04 v1(2760,3760)
NetR14_1: R14.1 RV2.2 | length 4196.6
  TopLayer w12: R14.1@2800,3647.5 2800,3625 2850,3575 3050,3575 3150,3475 v1(3150,3400)
  BottomLayer w12: v1(3150,3400) 3300,3250 3300,3050 3425,2925 3425,1955 3074.73,1604.73 3074.73,825.27 3625,275 RV2.2@3625,200
NetR15_2: PG3SA.2 PGM1.3 PGM1.6 R15.2 | length 5571.1
  TopLayer w5: PG3SA.2@1925,6008.07 1983.07,5950 2150,5950 2250,6050 2386.42,6050 PGM1.3@2435.63,6000.79 ; R15.2@2772.5,3865 2800,3892.5 2800,4080 2815,4095 v1(2855,4095)
  BottomLayer w5: v1(2145,5950) 2145,5830 2275,5700 2425,5700 2479,5754 3408,5754 3524,5870 3680,5870 3755,5795 3755,4240 3655,4140 3515,4140 3460,4085 2865,4085 v1(2855,4095) ; PGM1.3@2435.63,6000.79 2486.42,5950 2621.06,5950 PGM1.6@2671.85,6000.79
NetR17_2: C28.2 CN4.34 R17.2 | length 2156.9
  TopLayer w5: CN4.34@125,4275 125,4250 375,4000 C28.2@397.5,4000 397.5,4022.5 420,4045 v1(1500,4045) ; v1(1775,4075) 1775,3900 1803,3872 R17.2@1803,3752.5
  BottomLayer w5: v1(1500,4045) 1530,4075 v1(1775,4075)
NetR18_2: R18.2 R265.2 R276.1 T7.2 | length 2718.8
  TopLayer w5: T7.2@890,1662.5 850,1702.5 850,1797.5 877.5,1825 877.5,1900 1025,1900 1075,1950 1200,1950 1225,1975 1225,2225 1315,2315 1315,2615 v1(1375,2675) ; v1(1775,3650) R18.2@1800.5,3650
  BottomLayer w5: v1(1375,2675) 1400,2700 1425,2700 1500,2775 1500,3600 1550,3650 v1(1775,3650)
NetR19_2: C136.1 R19.2 R108.2 R120.1 | length 3031.8
  TopLayer w5: R120.1@1227.5,4800 C136.1@1322.5,4800 ; R108.2@1377.5,5025 1377.5,4992.5 1350,4965 1350,4860 1322.5,4832.5 1322.5,4777.5 1350,4750 1350,4635 1360,4625 1390.86,4625 1440,4575.86 1440,4210 1600,4050 1600,3765 v1(1615,3750) ; v1(2695,3780) 2685,3790 2685,4000 2705,4020 2705,4095 2735,4125 R19.2@2772.5,4125
  BottomLayer w5: v1(1615,3750) 2665,3750 v1(2695,3780)
NetR21_2: C29.2 R21.2 R133.2 R135.2 | length 358.4
  TopLayer w5: R133.2@2827.5,4060 2902.5,4060 2902.5,4102.5 2925,4125 2925,4220 2920,4225 2862.5,4225 R21.2@2827.5,4190
NetR22_2: C122.2 R22.2 U27.3 | length 3101.2
  TopLayer w5: U27.3@2402.67,174.73 2445,217.05 2445,570 2475,600 2475,800 2500,825 C122.2@2500,847.5 2517.5,847.5 2530,860 2530,1001.72 2620,1091.72 2620,1266.72 2685,1331.72 2685,1766.57 2785,1866.57 2785,2076.72 2955,2246.72 v1(2955,2400) ; v1(3050,2950) R22.2@3050,2997.5
  BottomLayer w5: v1(2955,2400) 2955,2430 3050,2525 v1(3050,2950)
NetR23_1: CN2.5 R23.1 | length 3273.4
  TopLayer w5: R23.1@2772.5,4255 2772.5,4277.5 2780,4285 2935,4285 v1(2970,4250) ; CN2.5@3300,6525 3340,6565 3425,6565 3450,6540 3450,6400 3525,6325 3525,5865.15 3415,5755.15 3415,4885 3440,4860 3440,4265 v1(3435,4260)
  BottomLayer w5: v1(2970,4250) 2995,4225 3400,4225 v1(3435,4260)
NetR24_1: R24.1 R317.1 | length 4013.8
  TopLayer w5: R317.1@2325,727.5 2325,800 2346.02,821.02 2346.02,825 2375,853.98 v1(2375,985) ; R24.1@2877.5,4255 2940,4255 2970,4225 3000,4225 3015,4210 3015,4015 2985,3985 2985,3785 2960,3760 2910,3760 v1(2900,3750)
  BottomLayer w5: v1(2375,985) 2395,1005 2395,3015 2635,3255 2737.57,3255 2795,3312.43 2795,3645 v1(2900,3750)
NetR25_1: CN2.3 R25.1 | length 3097.9
  TopLayer w5: R25.1@2772.5,4320 2772.5,4342.5 2780,4350 2920,4350 v1(3015,4255) ; CN2.3@3400,6525 3440,6485 3440,6395 3515,6320 3515,5869.29 3405,5759.29 3405,4870 3430,4845 3430,4280 v1(3410,4260)
  BottomLayer w5: v1(3015,4255) 3035,4235 3385,4235 v1(3410,4260)
NetR26_1: R26.1 R306.1 | length 3914.5
  TopLayer w5: R306.1@2325,902.5 v1(2325,965) ; R26.1@2877.5,4320 2925,4320 3025,4220 3025,4010.86 2995,3980.86 2995,3780 2965,3750 2925,3750 v1(2900,3725)
  BottomLayer w5: v1(2325,965) 2385,965 2405,985 2405,3010 2640,3245 2741.72,3245 2805,3308.28 2805,3630 v1(2900,3725)
NetR27_1: CN2.9 R27.1 | length 3275
  TopLayer w5: v1(2735,4385) R27.1@2772.5,4385 ; CN2.9@3100,6525 3140,6565 3225,6565 3250,6540 3250,6400 3265,6385 3435.86,6385 3505,6315.86 3505,5873.43 3395,5763.43 3395,4855 3420,4830 3420,4455 v1(3400,4435)
  BottomLayer w5: v1(2735,4385) 2980.94,4385 2990,4394.06 3359.06,4394.06 v1(3400,4435)
NetR28_1: R28.1 R325.1 | length 4202.7
  TopLayer w5: R325.1@2250,727.5 2250,775 2285,810 v1(2285,945) ; R28.1@2877.5,4385 2915,4385 3035,4265 3035,4006.72 3005,3976.72 3005,3775 2970,3740 2940,3740 v1(2925,3725)
  BottomLayer w5: v1(2285,945) 2380.86,945 2415,979.14 2415,3005 2645,3235 2745.86,3235 2815,3304.14 2815,3615 v1(2925,3725)
NetR29_1: CN2.7 R29.1 | length 3006.3
  TopLayer w5: R29.1@2772.5,4450 2797.5,4425 2900,4425 v1(2920.94,4404.06) ; CN2.7@3200,6525 3240,6485 3240,6395 3260,6375 3431.72,6375 3495,6311.72 3495,5877.57 3385,5767.57 3385,4840 3400,4825 v1(3400,4475)
  BottomLayer w5: v1(2920.94,4404.06) 3339.06,4404.06 3400,4465 v1(3400,4475)
NetR30_1: R30.1 R305.1 | length 4114.6
  TopLayer w5: R305.1@2250,902.5 v1(2250,925) ; R30.1@2877.5,4450 2920,4450 2940,4430 2940,4395 3045,4290 3045,4002.57 3015,3972.57 3015,3770 2975,3730 2955,3730 v1(2925,3700)
  BottomLayer w5: v1(2250,925) 2375,925 2425,975 2425,3000 2650,3225 2750,3225 2825,3300 2825,3600 v1(2925,3700)